# KiCad board mtt_final.kicad_pcb (continued)
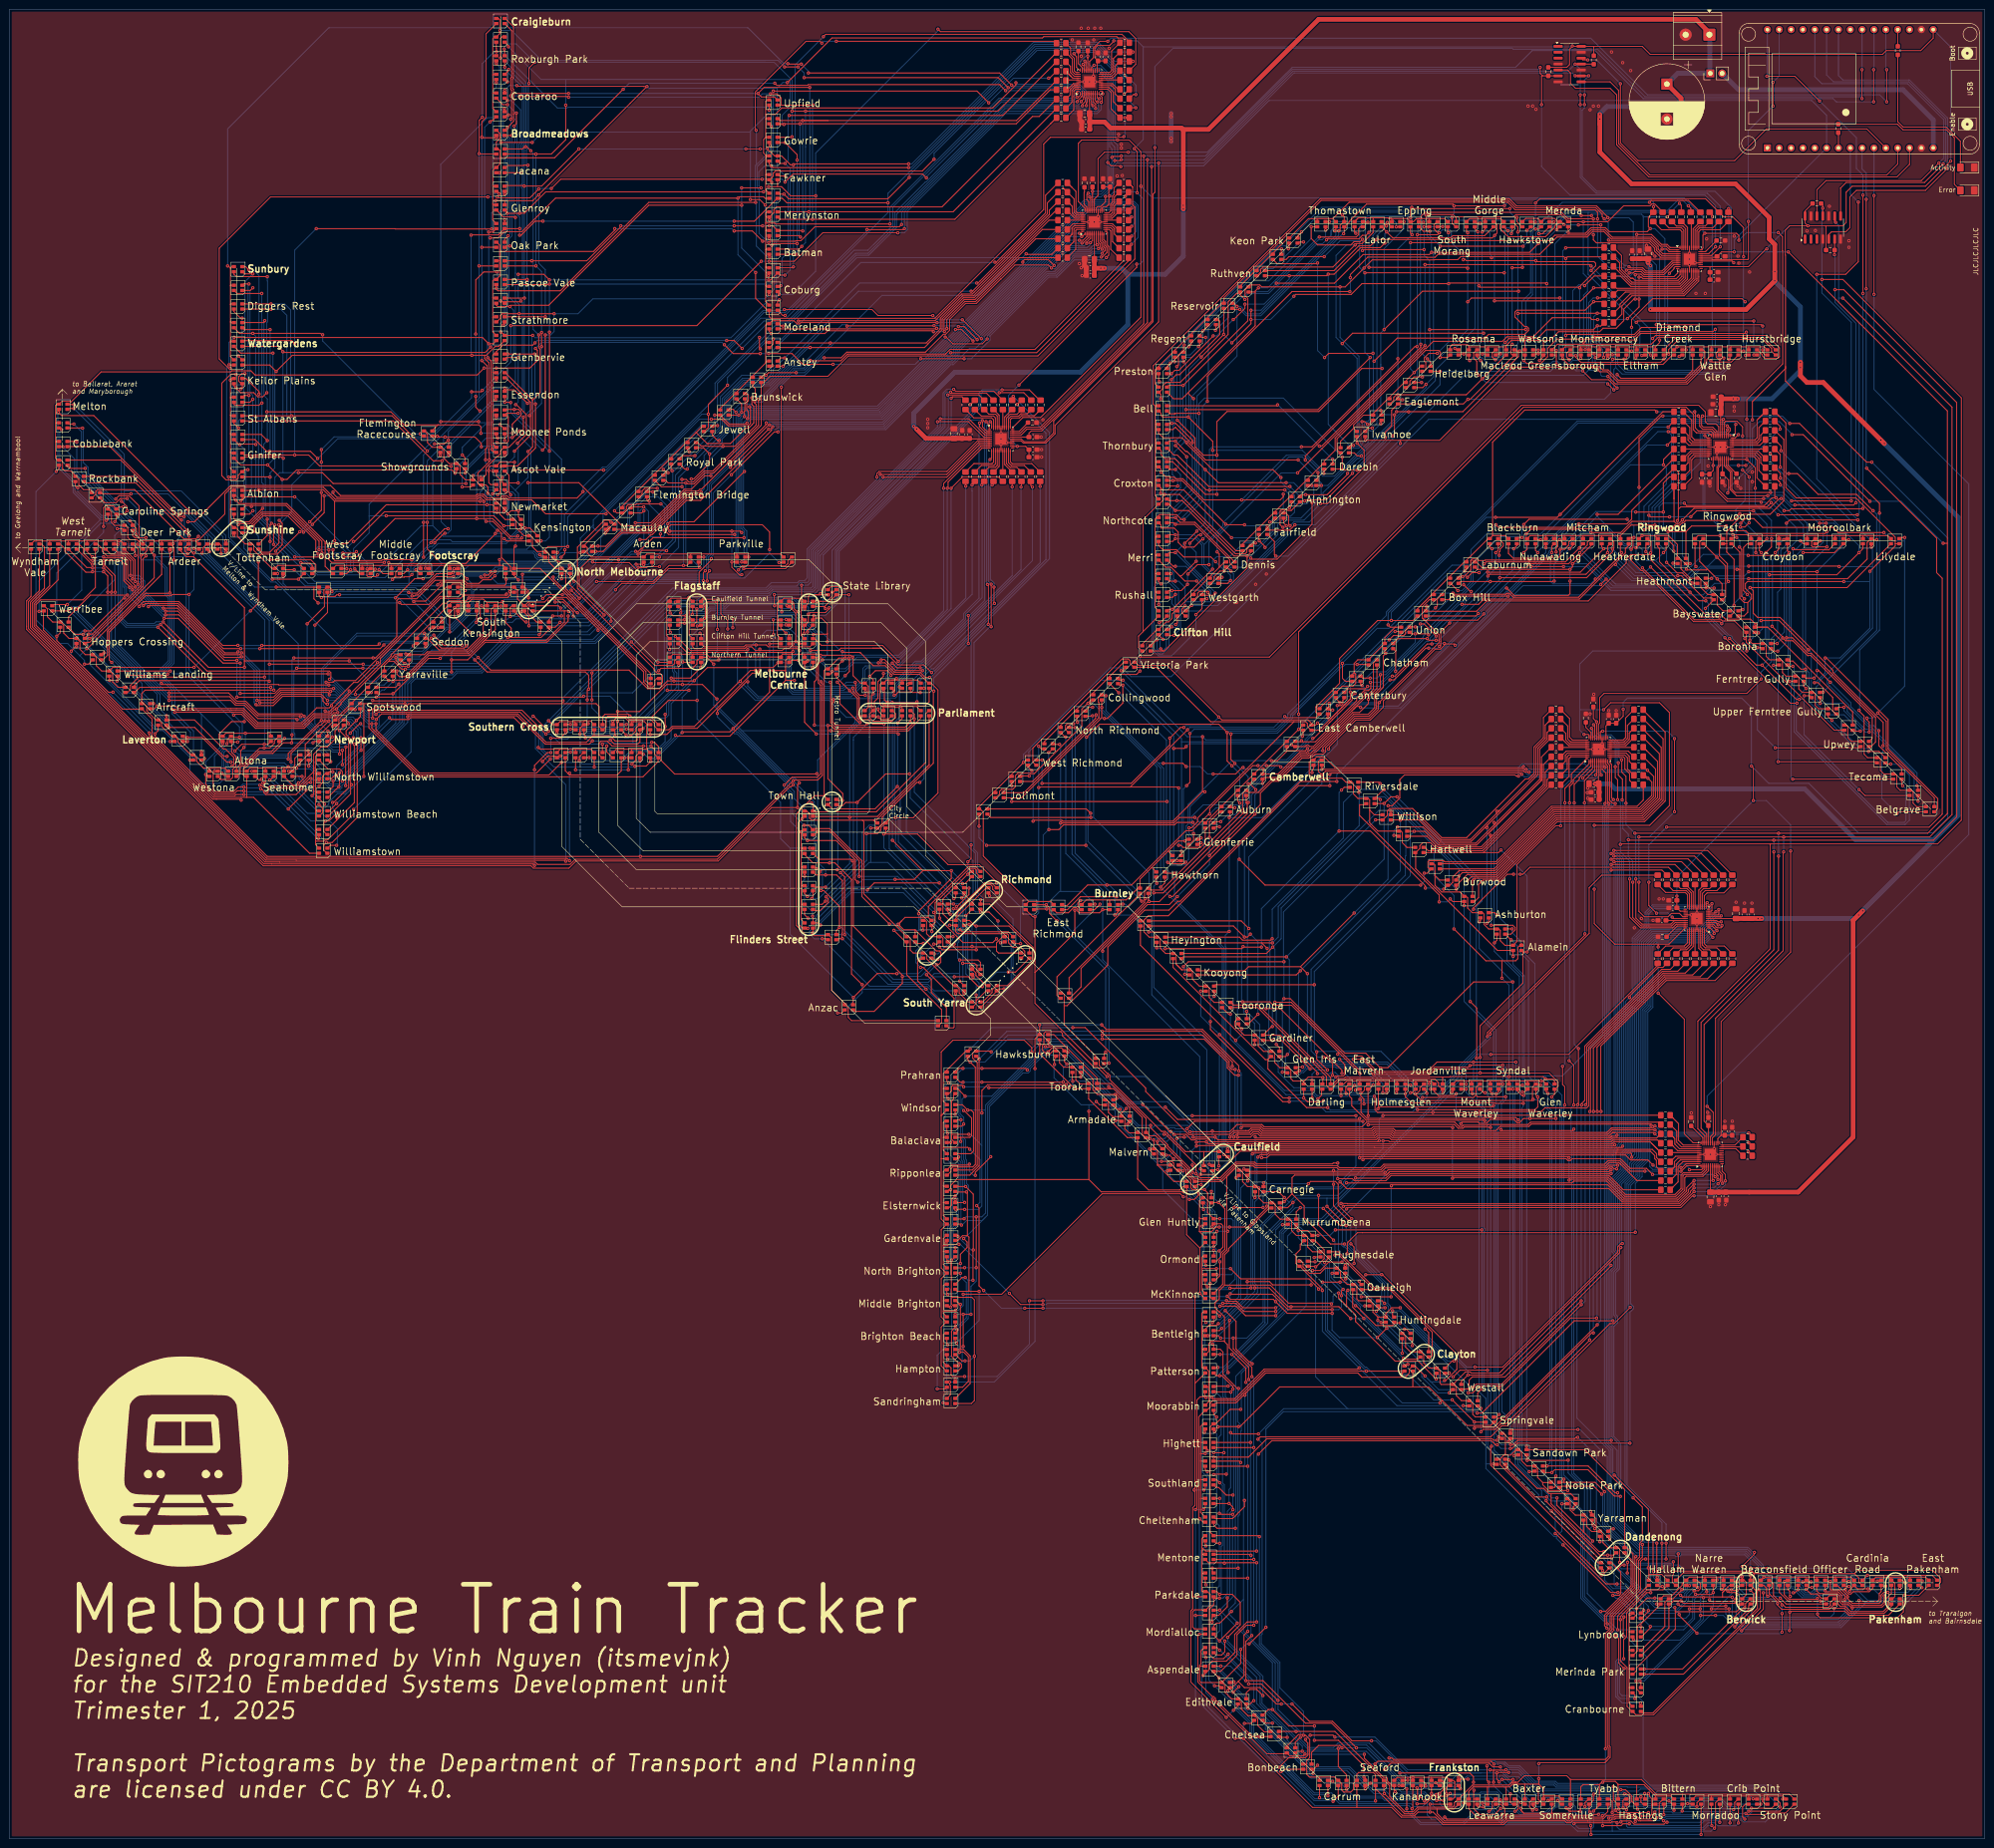
[diagram p0: board, top side]
## Routing (per net, layer and track width the routed paths; a pad name or vN(x,y) marks a point on that pad's centre or on a via; arc(x,y) is an arc through that point) (continued)
/L7_A10: length 234
  Top w0.2: v1(286.7,135.1) 286.99,135.39 358.33,135.39 360.84,137.9 v1(361.2,137.9) ; v1(271.5,112.2) 265.03,112.2 262.98,114.25 v1(259.55,114.25) ; v1(205.9,147.9) 205.5,148.3 200.25,148.3 ; v1(221.6,113.8) v1(217.7,113.8) ; 200.25,148.3 200.25,147.7 D565.3 ; 200.25,148.3 200.25,150.4 ; v1(207.4,135.8) 207.9,135.3 207.9,118.6 v1(208.9,117.6) ; 367.2,144.8 367.2,143.2 367.92,142.48 v1(367.92,141.11) ; D567.3 200.55,153.95 200.25,153.65 200.25,150.4 ; 200.25,150.4 200.3,150.45 D566.3
  Bottom w0.2: v1(367.92,141.11) 367.92,140.32 365.5,137.9 v1(361.2,137.9) ; v1(208.9,117.6) 212.7,113.8 v1(217.7,113.8) ; v1(221.6,113.8) 259.1,113.8 v1(259.55,114.25) ; v1(205.9,147.9) 208.1,145.7 208.1,136.5 v1(207.4,135.8) ; v1(271.5,112.2) 273.1,113.8 273.1,129.83 275.05,131.78 283.38,131.78 v1(286.7,135.1)
/L7_A11: length 196.2
  Top w0.2: v1(352,153) 352,153.2 351.9,153.3 326.28,153.3 325.78,152.8 319.62,152.8 318.73,151.91 297.18,151.91 296.75,152.33 292.6,152.33 292.17,151.91 268.7,151.91 268.2,152.4 266.24,152.4 265.73,151.9 265.1,151.9 265.1,151.91 262.49,151.91 261.68,151.1 253.45,151.1 253.4,151.05 252.86,151.05 243.63,160.29 243.63,161.03 230.65,174 v1(228,174) ; 200.25,160.9 200.3,160.95 D572.3 ; 200.25,160.9 200.25,158.2 D571.3 ; 200.25,160.9 200.25,164.15 201,164.9 ; v1(358.39,143.98) 358.68,143.98 359.5,144.8 362.17,144.8 ; 201,164.9 D573.3 ; 201,164.9 205.05,168.95 D514.3 ; 205.55,168.95 v1(206,169.4)
  Bottom w0.2: v1(228,174) 210.6,174 v1(206,169.4) ; v1(358.39,143.98) 358.1,143.98 357.7,143.58 352.32,143.58 351.7,144.2 351.7,152.9 351.8,153 v1(352,153)
/L7_CS: length 246
  Top w0.2: v1(364,157.1) 365.3,155.8 365.3,151.2 364.69,150.59 U9.28 ; v1(399.77,352.5) v1(399.77,331.3)
  Bottom w0.2: v1(364,157.1) 364,159.3 420.1,215.4 420.1,290.6 399.77,310.93 v1(399.77,331.3) ; U1.10 v1(399.77,352.5)
/L7_K0B: length 8.4
  Top w0.2: U9.41 357.77,146 356.97,145.2 356.97,144.1 356.74,143.88 ; 356.74,143.88 R137.1 ; 356.74,143.88 356.52,143.65
/L7_K0G: length 9.8
  Top w0.2: 356.67,141.8 356.67,141.8 356.37,141.5 ; 356.67,141.8 R136.1 ; 356.67,141.8 357.37,142.5 357.37,144.7 358.27,145.6 U9.42
/L7_K0R: length 11.1
  Top w0.2: 356.67,139.8 356.67,139.8 356.37,139.5 ; 356.67,139.8 R135.1 ; 356.67,139.8 357.77,140.9 357.77,144.2 358.77,145.2 U9.43
/L7_K1B: length 7.2
  Top w0.2: 356.67,148.6 357.67,147.6 U9.37 ; 356.67,148.6 356.47,148.8 ; 356.67,148.6 R140.1
/L7_K1G: length 6.2
  Top w0.2: U9.38 R139.1
/L7_K1R: length 7
  Top w0.2: U9.40 357.27,146.4 356.59,145.73 ; 356.59,145.73 356.42,145.55 ; 356.59,145.73 R138.1
/L7_K2B: length 11.3
  Top w0.2: 356.67,154.6 357.87,153.4 357.87,149.8 358.87,148.8 362.17,148.8 ; 356.67,154.6 356.67,154.6 356.37,154.9 ; 356.67,154.6 R144.1
/L7_K2G: length 9.6
  Top w0.2: R142.1 356.97,152.3 357.47,151.8 357.47,149.4 358.47,148.4 U9.35
/L7_K2R: length 8.6
  Top w0.2: 356.82,150.45 R141.1 ; 356.82,150.45 356.57,150.7 ; 356.82,150.45 357.07,150.2 357.07,149 358.07,148 U9.36
/L7_K3G: length 4.5
  Top w0.2: U9.21 371.57,148.4
/L7_K3R: length 5.2
  Top w0.2: 367.2,148.8 369.97,148.8 R143.1
/L7_K4G: length 5.2
  Top w0.2: U9.20 370.17,148 R146.1
/MISO_A: length 300.8
  Top w0.2: v1(235,352.3) 235,351.15 234.36,350.51 233.97,350.13 233.3,350.13 233.02,349.85 U3.27 ; U5.27 369.35,338.45 v1(369.7,338.1) ; v1(335.7,378.2) 336.97,378.2 ; v1(246.4,359.5) 246.4,325.4 224.2,303.2 224.2,301.4 222.2,299.4 217.4,299.4 216.91,299.89 U4.27 ; v1(337.7,372) v1(337.7,374.1) ; v1(338.6,378.2) 337.03,378.2 ; v1(232.55,380.45) 232.01,379.91 U2.27
  Bottom w0.2: 237.6,359.6 237.7,359.5 v1(246.4,359.5) 256.1,359.5 275.4,378.8 335.1,378.8 v1(335.7,378.2) ; 237.6,359.6 237.6,363.32 236.7,364.22 236.7,377.7 233.95,380.45 v1(232.55,380.45) ; 237.6,359.6 236.7,358.7 236.7,354.28 235,352.58 v1(235,352.3) ; v1(338.6,378.2) 337.7,377.3 v1(337.7,374.1) ; v1(369.7,338.1) 369.15,338.65 369.15,349.93 365.68,353.4 340.37,353.4 337.2,356.57 337.2,370.8 337.7,371.3 v1(337.7,372)
/MISO_B: length 439.1
  Top w0.2: U6.27 366.48,294.61 366.1,294.22 366.1,289.1 368.3,286.9 375.4,286.9 v1(375.6,286.7) ; v1(341.6,237.6) 341.3,237.6 341.1,237.4 U7.27 ; v1(380.4,211.7) 380.3,211.6 380.3,190.5 365.8,176 365.8,151 365.09,150.29 U9.27 ; U11.9 391.34,346.96 v1(391.55,346.75) ; v1(393.1,330.5) 416.5,307.1 416.5,219.7 411.7,214.9 v1(349.37,214.9) ; v1(357,236) v1(357,220.3) ; v1(349.37,205.2) 349.37,198.93 350.52,197.78 355.61,197.78 356.33,198.5 358.07,198.5 358.79,197.78 U8.27 ; v1(396.2,284) v1(379.2,284)
  Bottom w0.2: v1(396.2,284) 396.6,284.4 396.6,325.2 392.2,329.6 392.2,330.5 ; v1(357,220.3) 351.6,214.9 v1(349.37,214.9) v1(349.37,205.2) ; v1(380.4,214.9) v1(380.4,211.7) ; v1(391.55,346.75) 392.2,346.1 392.2,330.5 ; v1(393.1,330.5) 392.2,330.5 ; v1(379.2,284) 376.5,286.7 v1(375.6,286.7) ; v1(341.6,237.6) 355.5,237.6 357,236.1 v1(357,236)
/MOSI_A: length 293.2
  Top w0.2: U2.31 230.41,380.49 230.26,380.64 v1(230.21,380.64) ; U3.31 231.42,351.18 231.02,351.58 231.02,352.72 v1(231.3,353) ; v1(328.5,372) 328.5,378.1 328.65,378.25 ; 328.65,378.25 328.2,378.7 v1(328.2,380) ; 328.65,378.25 328.72,378.18 R150.1 332.04,378.18 ; v1(365.8,341.5) 364.35,340.05 U5.31 ; 243.2,360.9 243.2,325 221,302.8 218,302.8 216.69,301.49 U4.31 ; v1(238.4,361) 238.3,360.9 236.59,360.9 v1(236.39,360.7)
  Bottom w0.2: v1(328.5,372) 328.5,358.7 334.6,352.6 363.5,352.6 365.8,350.3 v1(365.8,341.5) ; v1(238.4,361) v1(243.2,361) 256.47,361 275.07,379.6 327.8,379.6 v1(328.2,380) ; v1(230.21,380.64) 230.46,380.64 231.65,379.45 233.82,379.45 235.9,377.37 235.9,363 236.39,362.51 v1(236.39,360.7) 236.39,359.52 235.9,359.03 235.9,354.62 234.08,352.8 231.87,352.8 231.87,352.81 231.49,352.81 v1(231.3,353)
/MOSI_B: length 440.4
  Top w0.2: v1(382.1,287) v1(394.9,287) ; v1(344.3,229.96) 344.3,227.66 344.8,227.16 v1(344.8,222.9) ; R151.1 388.8,350.43 U11.11 ; 377.5,213.4 377.5,190.9 362,175.4 362,152.3 363.49,150.81 U9.31 ; 377.5,213.4 345.5,213.4 v1(345.4,213.3) ; 377.5,213.4 413.4,213.4 418.5,218.5 418.5,309.1 393.1,334.5 v1(388.6,334.5) ; 339.5,237.9 U7.31 ; U6.31 368.08,294.52 369.3,293.3 369.3,289.5 370,288.8 v1(377.6,288.8) ; U8.31 357.38,196.18 356.6,195.4 349.7,195.4 347.4,197.7 v1(347.4,205.9)
  Bottom w0.2: v1(344.8,222.9) 345.4,222.3 v1(345.4,213.3) 345.4,211.7 347.4,209.7 v1(347.4,205.9) ; v1(339.2,238.2) 339.2,236.9 340.1,236 343.1,236 344.3,234.8 344.3,229.96 v1(344.3,229.96) ; v1(382.1,287) 380.3,288.8 v1(377.6,288.8) ; v1(394.9,287) 394.9,325.3 388.6,331.6 v1(388.6,334.5) 388.6,349.6 v1(388.8,349.8)
/SCK_A: length 298
  Top w0.2: v1(238.4,360.2) 238.2,360 v1(236.99,360) ; U3.30 231.82,352 v1(231.62,352.2) ; U4.30 216.89,301.09 218.2,302.4 221.17,302.4 244,325.23 v1(244,360.2) ; v1(335.7,380.7) 336.99,380.7 ; v1(366.8,341.5) 364.95,339.65 U5.30 ; v1(336.8,372) v1(336.8,374.1) ; v1(230.58,381.35) 230.8,381.12 230.8,380.8 230.81,380.79 U2.30 ; U10.11 339.66,380.71
  Bottom w0.2: v1(336.8,372) 336.8,356.4 340.2,353 364.02,353 366.8,350.23 v1(366.8,341.5) ; v1(238.4,360.2) v1(244,360.2) 256.23,360.2 275.23,379.2 334.2,379.2 v1(335.7,380.7) 336.8,379.6 v1(336.8,374.1) ; v1(230.58,381.35) 230.8,381.35 232.3,379.85 233.98,379.85 236.3,377.53 236.3,363.6 236.99,362.91 v1(236.99,360) 236.99,359.55 236.3,358.87 236.3,354.45 234.05,352.2 231.62,352.2 v1(231.62,352.2)
/SCK_B: length 425.9
  Top w0.2: v1(382.8,286.1) 395.4,286.1 v1(395.9,286.6) ; v1(347.1,214.3) 347.2,214.2 412.5,214.2 417.5,219.2 417.5,308.1 393.3,332.3 v1(391.4,332.3) ; U7.30 339.9,238.7 339.65,238.95 v1(339.65,238.98) ; v1(378.3,211.7) 378.3,190.7 362.7,175.1 362.7,152.4 363.89,151.21 U9.30 ; v1(344.95,230.8) 344.95,228.18 345.84,227.29 345.84,222.94 v1(345.76,222.86) ; U6.30 367.68,294.49 369,293.18 369,289.38 370.27,288.1 v1(377,288.1) ; v1(348.05,205.2) 348.05,197.62 349.87,195.8 356.4,195.8 357.18,196.58 U8.30 ; R152.1 391.33,343.13 ; v1(391.3,339.8) 391.3,340.77
  Bottom w0.2: v1(344.95,230.8) 344.9,230.8 344.7,231 344.7,234.97 343.27,236.4 340.3,236.4 339.9,236.8 339.9,238.7 339.65,238.95 v1(339.65,238.98) ; v1(378.3,214.2) v1(378.3,211.7) ; v1(382.8,286.1) 382.1,286.1 380,288.2 377.1,288.2 v1(377,288.1) ; v1(348.05,205.2) 348.05,209.75 347.1,210.7 v1(347.1,214.3) 347.1,215.5 345.94,216.66 345.94,222.68 v1(345.76,222.86) ; v1(395.9,286.6) 395.9,325.1 391.4,329.6 391.4,339.7 v1(391.3,339.8)
/SYNC: length 589.1
  Top w0.2: v1(370.8,342.9) 370.8,343.9 370.3,344.4 v1(363.5,344.4) 363.1,344 363.1,341.24 362.71,340.85 ; 353.5,191.9 355.81,191.9 359.29,195.38 ; 353.5,191.9 344.2,191.9 339.8,196.3 v1(339.8,203.7) ; 353.5,191.9 v1(353.5,191.3) ; 368.88,296.01 368.99,295.9 v1(372.5,295.9) 374.3,294.1 v1(374.3,289.7) ; 215.11,302.29 215.11,302.71 217.29,304.89 221.09,304.89 242.6,326.4 242.6,361.9 240.1,364.4 v1(237.6,364.4) 229.9,364.4 229.2,363.7 229.2,351.2 230.62,349.78 230.62,349.33 ; v1(379.24,344.56) 380.15,343.65 380.15,340.65 380.2,340.6 380.2,316.4 372.5,308.7 v1(372.5,304.5) ; v1(376.6,275.9) 377.8,277.1 v1(377.8,278.9) ; v1(228.25,382.95) 228.2,382.9 228.8,382.3 228.8,380 229.39,379.41 229.61,379.41 ; v1(341.8,242.2) 343.3,243.7 353.8,243.7 355.9,241.6 355.9,221.6 351.7,217.4 v1(339.8,217.4) ; v1(371.7,256.3) 372.5,255.5 v1(372.5,254.8) ; 338.7,236.21 338.7,236.7 338.5,236.9 v1(337.6,236.9) ; 362.69,149.31 360.99,149.31 359.1,151.2 359.1,175.8 v1(353.5,181.4)
  Bottom w0.2: v1(341.8,242.2) 336.7,242.2 ; 336.7,242.2 336.7,237.8 v1(337.6,236.9) ; 336.7,242.2 336.7,252 339.5,254.8 v1(372.5,254.8) ; v1(374.3,289.7) 374.3,286.3 377.8,282.8 v1(377.8,278.9) ; v1(339.8,203.7) v1(339.8,217.4) ; v1(376.6,275.9) 376.45,275.75 376.45,257.55 375.2,256.3 v1(371.7,256.3) ; v1(353.5,181.4) v1(353.5,191.3) ; v1(379.24,344.56) 372.46,344.56 v1(370.8,342.9) ; v1(363.5,344.4) 363.1,344.8 363.1,347.93 359.08,351.96 245.14,351.96 v1(242.6,354.5) ; v1(372.5,295.9) v1(372.5,304.5) ; v1(228.25,382.95) 228.25,383.05 228.44,383.24 232.73,383.24 237.1,378.87 237.1,364.9 v1(237.6,364.4)
/V_MISO_UB: length 79.2
  Top w0.2: v1(414.6,359.3) 410.6,355.3 393.8,355.3 392.6,354.1 392.61,354.09 U11.8
  Bottom w0.2: U1.25 389.62,378.38 391.1,376.9 407.2,376.9 415.1,369 415.1,360 414.6,359.5 v1(414.6,359.3)
/V_MOSI_UB: length 85.4
  Top w0.2: U11.12 387.53,353.73 389.5,355.7 409.9,355.7 v1(413.7,359.5)
  Bottom w0.2: U1.26 387.08,378.02 388.6,376.5 407,376.5 414.7,368.8 414.7,360.5 v1(413.7,359.5)
/V_SCK_UB: length 84
  Top w0.2: U11.5 390.07,344.12 390.64,344.7 393.7,344.7 394.6,345.6 394.6,352.2 396,353.6 410.8,353.6 v1(415.5,358.3)
  Bottom w0.2: U1.24 392.15,378.25 393.1,377.3 407.37,377.3 415.5,369.17 415.5,359.4 415.5,359.4 v1(415.5,358.3)
Net-(D1-BK): length 418.1
  Top w0.2: v1(162.05,350.47) 160.89,351.64 v1(158.88,351.64) ; v1(104.4,316.8) D19.2 ; 67.71,277.9 67.75,277.85 72.49,277.85 80.8,286.17 81.3,286.17 ; 67.71,277.9 67.71,272.96 69.27,271.4 ; 67.71,277.9 67.71,278.19 59.48,286.42 49.28,286.42 v1(48.53,287.16) 48.15,287.54 D49.2 ; v1(55.3,335.1) 52.46,335.1 52.45,335.1 51.95,335.1 51.95,335.1 48.68,335.1 48.15,335.63 D37.2 ; v1(101.3,341.4) D13.2 ; v1(103.7,293.4) D25.2 104.4,292.43 105.19,291.64 105.19,288.79 v1(104.7,288.3) ; D7.2 v1(104.4,364.9) 101.4,364.9 v1(101.3,365) 101.3,368.35 102.18,369.23 102.18,387.18 D1.2 ; 102.38,298.4 102.1,298.12 v1(102.1,295.8) ; 102.38,298.4 102.4,298.4 ; 102.38,298.4 102.4,298.42 102.4,316 v1(101.3,317.1) ; R4.2 220.79,369.46 219.35,369.46 199.95,350.06 164.52,350.06 163.91,349.44 163.91,348.83 162.97,347.9 ; D43.2 48.15,311.72 v1(48.6,311.27) 48.6,311.25 49.62,310.22 52.38,310.22 53.27,309.33 54.33,309.33 v1(55.2,310.2) ; 162.9,347.33 D67.2 ; v1(162.9,370.84) D61.2 ; 104.3,285.4 103.64,286.06 103.64,286.17 v1(102.4,286.17) 81.3,286.17 ; 81.3,286.17 80.91,286.17 ; v1(105.4,363.9) v1(112.1,363.9)
  Bottom w0.2: 158.88,366.1 v1(158.88,351.64) ; 158.88,366.1 114.3,366.1 v1(112.1,363.9) ; 158.88,366.1 158.88,366.32 162.9,370.35 v1(162.9,370.84) ; v1(103.7,293.4) 103.7,293.6 102.1,295.2 v1(102.1,295.8) ; v1(104.7,288.3) 103.7,289.3 102.3,289.3 102,289 102,288.35 102.4,287.95 v1(102.4,286.17) ; v1(55.3,335.1) 55.3,334.2 55.36,334.14 55.36,325.42 55.2,325.26 v1(55.2,310.2) ; v1(101.3,365) v1(101.3,317.1) 104.1,317.1 v1(104.4,316.8) ; v1(162.96,347.26) 162.05,348.17 v1(162.05,350.47) ; v1(48.53,287.16) 48.12,287.57 48.12,310.8 v1(48.6,311.27) ; v1(104.4,364.9) v1(105.4,363.9)
Net-(D1-GK): length 417.5
  Top w0.2: v1(53.52,309.93) 53.52,309.93 53.52,310.46 52.2,311.77 50.73,313.25 D43.4 ; 106.33,390.5 106.81,390.01 108.1,388.73 108.1,377.73 107.9,377.53 107.9,375.5 108.1,375.3 108.1,374.4 ; v1(112.6,318.5) v1(106.9,318.5) D19.4 ; v1(106.92,343.85) 106.2,343.14 D13.4 ; 223.91,370.59 R3.2 223.91,370.59 ; 223.91,370.59 203.51,350.19 202.32,349 v1(171.4,349) D67.4 ; v1(112.8,307.8) 112.8,298.33 108.97,294.5 D25.4 ; 69.74,286.94 69.74,278.46 v1(69.73,278.45) ; 69.74,286.94 v1(100.95,286.94) ; 69.74,286.94 67.27,289.4 53.56,289.4 v1(53.46,289.3) 53.41,289.25 D49.4 ; v1(119.89,374.4) 108.1,374.4 ; 108.1,374.4 108.1,370 108.11,369.99 108.11,368.44 107.73,368.06 107.73,368.03 v1(106.8,367.1) D7.4 ; v1(105.46,294.44) 106.14,294.44 ; v1(171.6,375.7) 161.8,375.7 v1(160.5,374.4) 161.25,373.65 164.05,373.65 D61.4 ; D37.4 50.65,337.25 v1(51.37,336.53) ; v1(72.33,272.46) 71.24,272.46 ; v1(106.2,287.1) D31.4
  Bottom w0.2: v1(53.46,289.3) 53.46,290.76 53.44,290.78 53.44,309.85 v1(53.52,309.93) 53.52,335.35 52.34,336.53 v1(51.37,336.53) ; v1(69.73,278.45) 72.33,275.86 v1(72.33,272.46) ; 104.61,289.13 105.07,289.13 105.97,288.23 105.97,287.33 v1(106.2,287.1) ; 104.61,289.13 104.61,293.59 v1(105.46,294.44) ; 104.61,289.13 103.83,289.9 102,289.9 100.95,288.85 v1(100.95,286.94) ; v1(112.6,318.5) 112.7,318.4 112.7,307.9 v1(112.8,307.8) ; v1(106.8,367.1) 106.8,365.32 107.34,364.77 107.34,344.28 v1(106.92,343.85) 106.71,343.65 106.71,318.69 v1(106.9,318.5) ; v1(171.4,349) 171.6,349.2 v1(171.6,375.7) ; v1(119.89,374.4) v1(160.5,374.4)
Net-(D1-RK): length 411.6
  Top w0.2: v1(52.2,335.7) 50.4,335.7 D37.1 ; D13.1 106.48,341.68 v1(107.31,341.68) ; v1(109.1,290.85) 107.12,290.85 ; 107.12,290.85 107.12,288.83 107.48,288.48 v1(107.48,288.3) ; 107.12,290.85 107.12,292.48 D25.1 ; 165.5,371.9 165.45,371.95 165.45,373.45 164.58,374.32 v1(163.19,374.32) ; 165.5,371.9 D61.1 ; 165.5,371.9 v1(172.3,371.9) ; v1(49.65,287.08) 49.95,287.38 ; 49.95,287.38 50.43,287.85 v1(61.19,287.85) ; 49.95,287.38 D49.1 ; 107.66,373.9 v1(107.5,373.9) ; 107.66,373.9 107.66,375.14 107.5,375.3 107.5,377.7 107.7,377.9 107.7,387.9 D1.1 ; 107.66,373.9 107.66,369.01 v1(107.51,368.86) ; D7.1 v1(107.75,365.4) ; v1(108.95,299.37) 110.82,301.24 110.82,305.54 108.71,307.65 v1(108.55,307.65) ; v1(109.35,373.75) 119.75,373.75 v1(119.9,373.6) ; v1(73.77,278.28) 74.04,278.28 80.41,284.65 104.45,284.65 v1(104.55,284.55) ; 223.23,367.9 202.73,347.41 v1(172.2,347.41) 165.19,347.41 D67.1 ; 223.23,367.9 R2.2 223.23,367.9 ; v1(50.51,314.3) 49.83,314.3 49.2,313.67 49.2,312.66 49.95,311.91 49.95,311.34 v1(49.65,311.04) ; D19.1 106.56,317.76 v1(109.1,317.76) ; v1(73.16,272.23) 72.33,271.4 D55.1 ; v1(106,284.6) 106.2,284.8 D31.1
  Bottom w0.2: v1(108.95,299.37) 109.1,299.22 v1(109.1,290.85) ; v1(119.9,373.6) 160.7,373.6 161.42,374.32 v1(163.19,374.32) ; v1(172.3,371.9) 172.2,371.8 v1(172.2,347.41) ; v1(109.35,373.75) 109.2,373.9 v1(107.5,373.9) ; 72.33,276.84 v1(73.77,278.28) ; 72.33,276.84 61.32,287.85 v1(61.19,287.85) ; 72.33,276.84 73.16,276.01 v1(73.16,272.23) ; v1(50.51,314.3) 50.51,334 v1(52.2,335.7) ; v1(49.65,311.04) 48.53,309.92 48.53,288.2 v1(49.65,287.08) ; v1(107.48,288.3) 107.48,287.88 107.15,287.55 107.15,285.34 106.35,284.55 v1(104.55,284.55) ; v1(107.51,368.86) 107.51,366.96 107.75,366.72 107.75,343.83 107.16,343.25 107.15,343.25 107.11,343.21 107.11,330.77 108.5,329.38 108.5,318.7 109.1,318.1 v1(109.1,317.76) 109.1,308.19 v1(108.55,307.65)
Net-(D10-BK): length 499.3
  Top w0.2: v1(100.6,304) v1(92.5,304) ; v1(67.17,322.64) 67.03,322.64 66.73,322.94 v1(52.2,322.94) 49.36,322.94 D40.2 ; v1(51.9,275.23) 51.65,275.48 D52.2 ; 49.12,299.19 D46.2 ; 49.12,299.19 49.24,299.06 v1(49.42,299.06) ; 49.12,299.19 52.75,299.19 v1(52.84,299.1) ; 88.87,300.93 88.53,300.93 v1(88.09,301.37) ; v1(104.4,376.7) D4.2 ; v1(240.9,381.3) 240.89,381.29 R13.2 ; v1(104.4,304.8) 104.4,305.28 ; v1(157.01,350.43) 137.1,350.43 115.64,328.96 107.59,328.96 v1(107.31,328.69) 104.71,328.69 104.4,329 D16.2 ; 114.65,275.15 113.9,275.15 113.7,275.36 v1(113.7,275.49) ; D70.2 162.9,335.35 162.85,335.3 v1(162.75,335.3) ; v1(157.01,354.15) v1(161.17,354.15) ; v1(192.8,358.5) 163.71,358.5 v1(163.37,358.84) 162.9,359.31 D64.2 ; v1(105,352.9) 104.5,353.4 ; v1(87.17,272.23) 88,271.4
  Bottom w0.2: v1(52.2,322.94) 52.81,322.33 52.81,300.36 52.84,300.33 v1(52.84,299.1) ; 111.78,277.45 113.7,275.54 v1(113.7,275.49) ; 111.78,277.45 111.83,277.5 111.83,298.41 106.89,303.35 106.89,304.9 ; 111.78,277.45 110.94,276.6 91.54,276.6 v1(87.17,272.23) ; v1(162.75,335.3) 162.75,335.5 157.01,341.24 v1(157.01,350.43) v1(157.01,354.15) ; 100.6,303.9 100.72,303.78 103.38,303.78 v1(104.4,304.8) 106.79,304.8 106.89,304.9 ; v1(104.4,376.7) 104.4,375.7 103.65,374.95 103.65,369.2 ; 103.65,369.2 103.64,369.2 102.49,369.2 92.49,359.19 92.49,303.07 90.82,301.4 88.12,301.4 v1(88.09,301.37) 87.11,301.37 67.17,321.3 v1(67.17,322.64) ; 103.65,369.2 103.65,353.27 104.02,352.9 v1(105,352.9) ; v1(192.8,358.5) 193.34,358.5 219.77,384.93 233.37,384.93 237,381.3 v1(240.9,381.3) ; 106.89,304.9 106.89,310.96 108.5,312.57 108.5,317.5 108.5,317.51 108.5,318 108.1,318.4 108.1,327.9 v1(107.31,328.69) ; v1(161.17,354.15) 161.15,354.15 160.7,354.6 160.7,357.6 161.94,358.84 v1(163.37,358.84) ; v1(49.42,299.06) 50.31,298.17 50.31,276.82 v1(51.9,275.23)
Net-(D10-GK): length 455.1
  Top w0.2: v1(110.41,330.5) D16.4 ; v1(55.3,283.08) 55.3,279.6 D52.4 ; 92,303.3 84.6,303.3 81.8,306.1 v1(55.2,306.1) ; 92,303.3 91.87,303.3 90.7,302.14 ; 92,303.3 100.69,303.3 101.1,302.89 v1(101.1,301.5) ; D4.4 107.06,379.36 v1(107.06,379.57) ; 106.2,354.64 110.27,354.64 v1(110.38,354.53) 114.13,354.53 v1(122.1,362.5) ; v1(55.31,299.93) 54,301.25 D46.4 ; v1(192.8,359.3) 168.3,359.3 v1(168.1,359.1) 167.45,359.1 165.55,361 D64.4 164.07,361 163.22,361.85 163.12,361.85 162.5,362.47 v1(162.5,362.6) ; v1(54.75,325.67) 54.75,325.47 54.54,325.25 D40.4 ; R12.2 240.89,383.29 v1(240.9,383.3) ; v1(168.1,337.2) 167.9,337 D70.4 ; v1(107.83,301.54) 107.83,303.47 109.7,305.34 109.7,306.09 109.17,306.63 v1(108.26,306.63) 106.33,306.63 ; v1(157.9,362.5) v1(161,362.5) ; v1(89.2,272.55) 89.79,272.55 ; v1(117.5,275.92) 116.78,275.92
  Bottom w0.2: v1(101.1,301.5) 101.14,301.54 v1(107.83,301.54) ; v1(107.06,379.57) 110.4,376.24 110.4,363.54 110.07,363.21 110.07,362.71 110.41,362.36 110.41,334.75 110.41,334.75 110.41,334.25 110.41,334.25 v1(110.41,330.5) 110.41,306.2 109.27,305.06 ; v1(168.1,359.1) v1(168.1,337.2) ; v1(89.2,272.55) 89.2,273.69 91.71,276.2 112.47,276.2 113.05,275.62 113.05,275.15 113.38,274.83 116.41,274.83 v1(117.5,275.92) 118.39,276.81 118.39,295.93 109.27,305.06 ; v1(54.75,325.67) 54.59,325.5 54.59,309.58 55.31,308.86 v1(55.31,299.93) 54.56,299.18 54.56,292.19 54.89,291.85 54.89,283.72 55.2,283.41 55.2,283.18 v1(55.3,283.08) ; v1(192.8,359.3) 193.5,359.3 219.54,385.34 233.53,385.34 235.57,383.3 v1(240.9,383.3) ; 109.27,305.06 108.97,305.06 108.26,305.76 v1(108.26,306.63) ; v1(162.5,362.6) 162.4,362.5 v1(161,362.5) ; v1(122.1,362.5) v1(157.9,362.5)
Net-(D10-RK): length 462
  Top w0.2: v1(90.68,271.4) D58.1 ; v1(101.19,298.6) 101.19,299.32 99.81,300.7 92.19,300.7 92.09,300.8 91.8,300.8 v1(91.73,300.87) 91.65,300.8 90.8,300.8 ; v1(104.53,299.52) 104.7,299.35 106.5,299.35 106.97,299.82 106.97,305.02 106.4,305.6 106.59,305.8 v1(109.1,305.8) ; v1(57.79,281.87) 57.79,277.95 55.82,275.97 54.13,275.97 D52.1 ; 106.7,329.72 109.52,329.72 v1(109.7,329.9) ; 106.7,329.72 105.5,329.72 v1(105.31,329.9) ; 106.7,329.72 106.52,329.72 D16.1 ; v1(66.1,296.1) 64.58,297.62 v1(55.8,297.62) 55.2,297.62 52.67,300.15 D46.1 ; v1(166.32,359.39) 165.21,359.39 D64.1 ; v1(174.52,386.58) 175.04,387.1 238.52,387.1 240.11,385.51 ; v1(166.29,335.43) 165.17,335.43 D70.1 163.2,334.4 v1(162.8,334.4) ; v1(55.9,323.74) 50.36,323.74 D40.1 ; v1(117.8,273.8) 116.7,274.9 ; v1(89.6,282.4) 89.6,276.7 v1(91.7,274.6) ; v1(115.8,334.4) 114.6,335.6 v1(109.1,335.6) ; 106.3,377.4 v1(106.8,376.9) ; v1(106.2,352.8) D10.1
  Bottom w0.2: v1(106.8,376.9) 106.4,376.9 105.5,376 105.5,371.9 105.73,371.67 105.5,371.45 105.5,370.95 105.54,370.91 105.52,370.89 105.52,365.46 106.54,364.44 106.54,354 ; 92.91,273.62 92.68,273.62 v1(91.7,274.6) ; 92.91,273.62 114.81,273.62 114.83,273.6 117.07,273.6 117.09,273.62 117.63,273.62 v1(117.8,273.8) ; 92.91,273.62 v1(90.68,271.4) ; v1(109.1,305.8) 110.01,306.71 110.01,329.59 v1(109.7,329.9) 109.1,330.5 v1(109.1,335.6) ; v1(105.31,329.9) 105.51,330.1 105.51,344.5 105.5,344.51 105.5,348.96 106.54,350 106.54,354 ; v1(93.4,300.7) 93.1,300.4 93.1,299.1 89.6,295.6 v1(89.6,282.4) ; v1(55.8,297.62) 55.89,297.62 55.92,297.6 55.92,323.02 55.9,323.03 v1(55.9,323.74) ; v1(106.2,352.8) 106.54,353.14 106.54,354 ; v1(91.73,300.87) 91.47,300.87 90.93,300.33 70.4,300.33 60.57,290.49 60.57,284.64 v1(57.79,281.87) ; v1(104.53,299.52) 103.7,298.69 101.28,298.69 v1(101.19,298.6) ; v1(166.29,335.43) 166.32,335.43 167.42,336.53 167.42,358.28 v1(166.32,359.39) 166.99,360.06 166.99,363.06 168.47,364.53 168.47,380.53 v1(174.52,386.58) ; v1(162.8,334.4) v1(115.8,334.4)
Net-(D11-BK): length 469.8
  Top w0.2: v1(108.2,367.4) 108.7,367.9 v1(108.7,370.2) ; D41.2 49.6,318.7 v1(56.52,318.7) ; v1(163.43,355.37) D65.2 ; v1(95.16,271.68) 94.89,271.4 D59.2 91.6,271.4 87.4,267.2 85.77,267.2 v1(85.6,267.37) ; v1(114.3,297.9) 114.9,298.5 v1(114.9,322.6) ; v1(106.8,372) 105.8,372 D5.2 ; D29.2 95.9,293.28 v1(95.57,292.94) 94.86,293.65 61.6,293.65 59.55,291.6 v1(58.5,291.6) v1(55.4,294.7) ; v1(104.7,300.49) 104.4,300.79 D23.2 ; 239.65,374.82 239.11,374.29 v1(239,374.29) ; D47.2 49.6,294.7 55,294.7 ; v1(57.1,276.2) 58.5,277.6 58.5,282.17 v1(57.87,282.8) ; v1(109.4,302) 108,300.6 v1(107.8,300.6) ; D11.2 105.9,347.9 108.4,347.9 v1(108.5,347.8) ; v1(162.9,331.3) D71.2 ; 163.01,355.9 163.78,356.67 163.78,357.28 164.25,357.76 195.72,357.76 v1(198.25,360.29) ; 55.57,294.7 55,294.7 ; 55,294.7 v1(55.4,294.7) ; 104.51,325.4 105.28,326.17 105.28,326.75 105.68,327.15 v1(109.3,327.15) v1(116.8,327.15) ; v1(55.4,294.7) 55.44,294.74 ; v1(118.4,270.3) D35.2 ; D53.2 v1(57.5,271.4)
  Bottom w0.2: 107.3,300.6 107.5,300.6 ; 107.3,300.6 v1(107.8,300.6) ; 107.3,300.6 104.81,300.6 v1(104.7,300.49) 102.23,300.49 95.57,293.83 v1(95.57,292.94) ; v1(58.5,291.6) 58.5,283.43 v1(57.87,282.8) ; v1(95.16,271.68) 102.25,271.68 104.65,269.28 117.38,269.28 v1(118.4,270.3) ; v1(56.52,318.7) 56.52,295.82 v1(55.4,294.7) ; v1(109.4,302) 110.2,302 v1(114.3,297.9) ; v1(85.6,267.37) 85.4,267.57 70.05,267.57 69.4,266.92 67.55,266.92 66.5,267.97 59.48,267.97 57.5,269.95 v1(57.5,271.4) 57.5,275.8 v1(57.1,276.2) ; v1(114.9,322.6) 116.05,322.6 116.8,323.35 v1(116.8,327.15) 121.92,327.15 125.11,330.34 161.94,330.34 v1(162.9,331.3) 164.03,332.43 164.03,353.7 163.43,354.3 v1(163.43,355.37) ; v1(108.2,367.4) 108.2,367.1 108.41,366.89 108.41,363.81 108.15,363.55 108.15,348.15 v1(108.5,347.8) 108.5,335.85 108.5,335.84 108.5,329.96 109.3,329.15 v1(109.3,327.15) ; v1(239,374.29) 239,377.54 232.9,383.64 220.32,383.64 198.25,361.57 v1(198.25,360.29) ; v1(106.8,372) 108.6,370.2 v1(108.7,370.2)
Net-(D11-GK): length 540.3
  Top w0.2: v1(120.1,273.2) 120.1,272.6 ; D65.4 165.02,356.68 v1(166.38,356.68) ; D47.4 50.38,296.82 v1(61.19,296.82) 64.18,296.82 66.51,294.5 94.61,294.5 v1(94.71,294.4) ; v1(165.4,333.15) 165.07,332.82 164.88,332.82 ; v1(114.9,326.5) D17.4 ; v1(108.8,376.1) 108.95,375.95 135.92,375.95 135.97,375.9 v1(136.7,375.9) 136.7,375.88 133.16,372.34 133.16,372.33 113.5,352.68 v1(113.5,352.64) 113.46,352.64 112.22,351.4 106.2,351.4 ; v1(61.07,272.23) 58.97,272.23 D53.4 ; v1(61.19,320.75) 60.55,321.38 50.08,321.38 ; 106.2,351.4 106.2,351.4 v1(104.25,351.4) ; 106.2,351.4 D11.4 ; v1(105.2,303.38) 106.08,302.5 ; v1(91.19,278.03) 93.21,280.05 v1(93.39,280.05) ; v1(103.4,345.33) 82.73,345.33 82.66,345.4 v1(65.8,345.4) ; 96.43,272.27 95.53,272.27 v1(95.35,272.45) ; 239.61,377.79 239.11,378.29 239.11,385.93 238.74,386.3 237.7,386.3 237.4,386.6 221.8,386.6 221.5,386.3 176.36,386.3 v1(166.8,376.74) ; 239.61,377.79 239.61,377.79 R15.2 239.61,377.79 ; D29.4 97.7,296.25 v1(97.12,296.84) ; v1(106.2,375.1) D5.4
  Bottom w0.2: v1(113.5,352.64) 113.5,338 114.9,336.6 v1(114.9,326.5) ; v1(104.25,351.4) 104.25,349.64 103.4,348.8 v1(103.4,345.33) ; 85.7,269.27 85.68,269.29 85.68,271.63 86.06,272.01 86.06,273.14 90.16,277.24 90.67,277.24 91.19,277.76 v1(91.19,278.03) ; 85.7,269.27 90.01,269.27 93.02,272.27 95.17,272.27 v1(95.35,272.45) 97.81,272.45 98.56,273.2 120.1,273.2 v1(120.1,273.2) ; 85.7,269.27 64.03,269.27 v1(61.07,272.23) ; v1(65.8,345.4) 61.19,340.79 v1(61.19,320.75) v1(61.19,296.82) ; v1(106.2,375.1) 107.2,376.1 v1(108.8,376.1) ; v1(165.4,333.15) 165.69,333.44 165.69,339.07 166.96,340.33 166.96,356.1 v1(166.38,356.68) 164.61,358.45 164.61,375.52 ; v1(166.8,376.74) 165.83,376.74 164.61,375.52 ; 164.61,375.52 137.08,375.52 v1(136.7,375.9) ; v1(93.39,280.05) 93.98,280.05 94.71,280.78 v1(94.71,294.4) 94.71,294.43 v1(97.12,296.84) 97.12,298.5 102,303.38 v1(105.2,303.38)
